# Altium PCB JlinkSwitch.PcbDoc (continued)
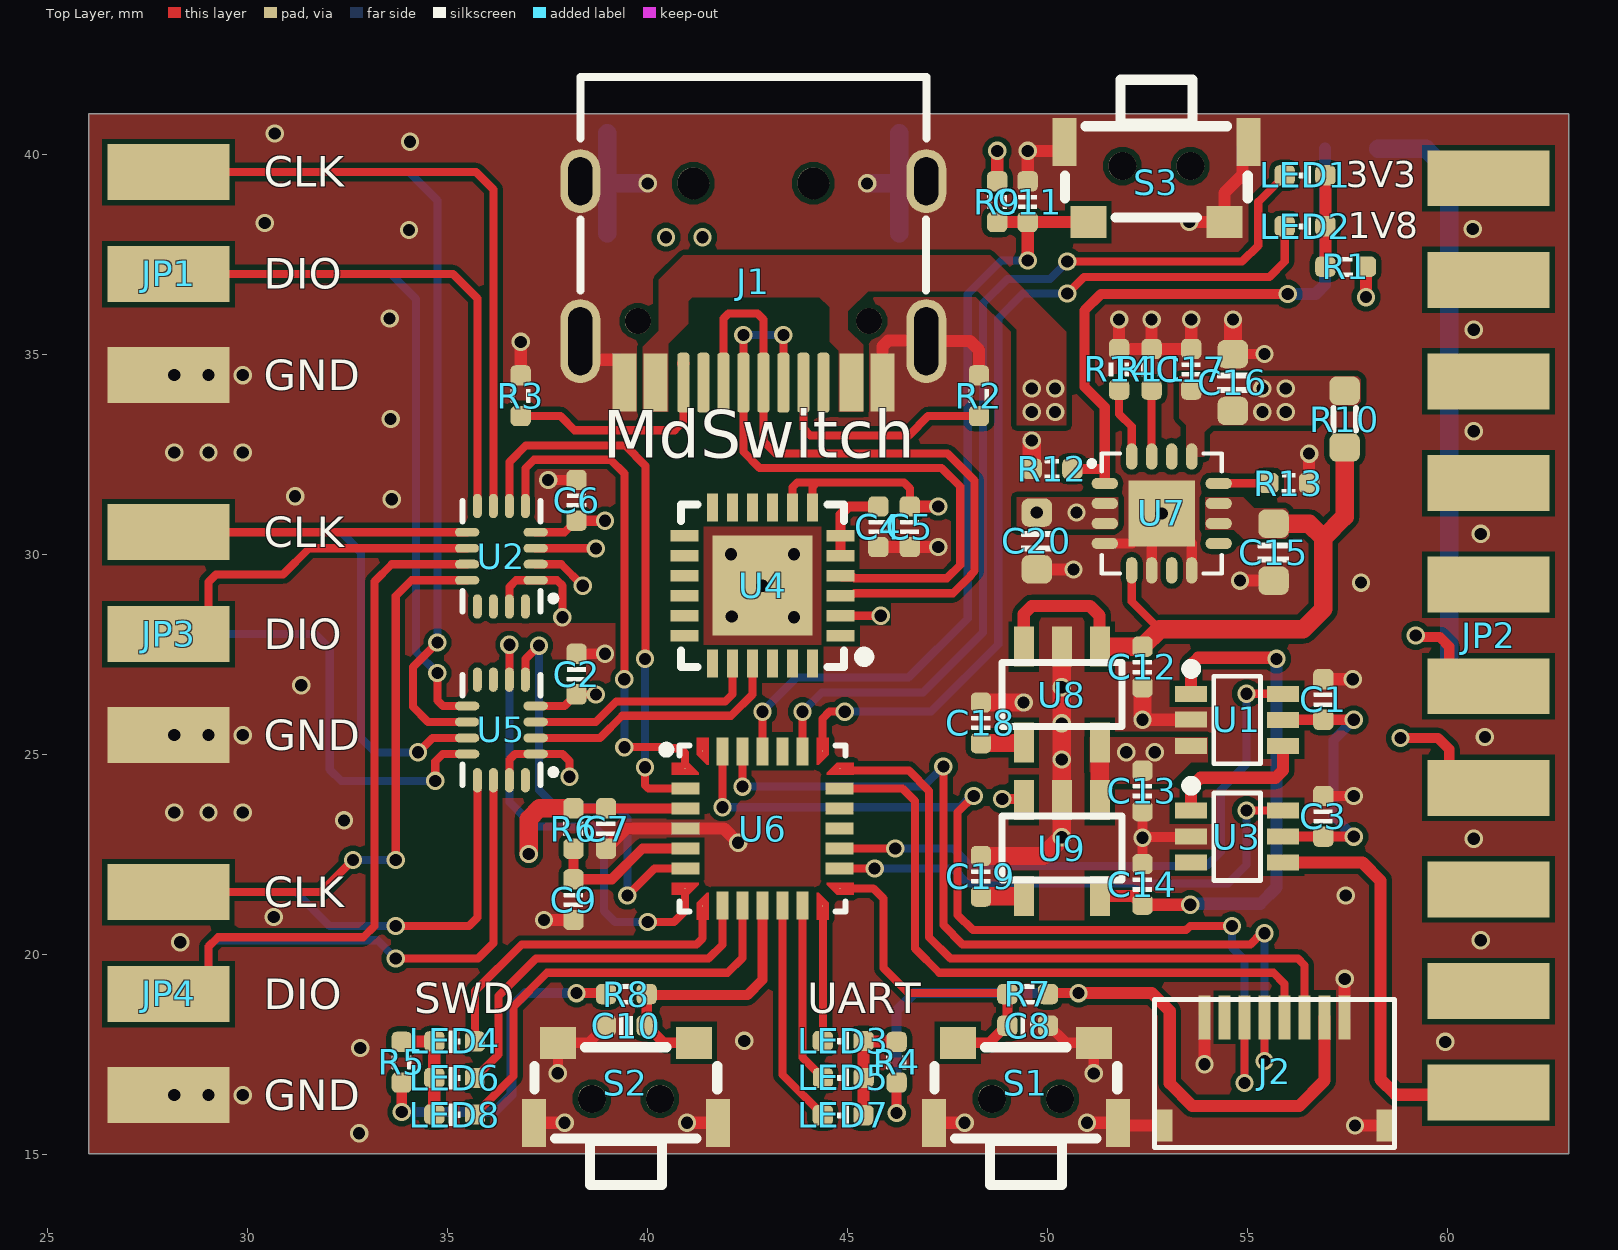
[diagram p0: Top Layer view]
## Footprints (in the part's own frame and the unit in brackets; to place one, negate y for a bottom-side part, rotate by r counter-clockwise, add the part's x,y. Pads: shape width x height; smd on the part's side, far side on the other; paste and mask are expansions set on the pad) (continued)
PAD [mm]
  rrect50% 1x1.5 smd: 1(0,0)
QFN16-1826 [mil]
  oval 8.82x24 smd paste-3937 mask+1.97: 1(-23.62,-33.73) 2(-7.87,-33.73) 3(7.87,-33.73) 4(23.62,-33.73) 9(23.62,33.73) 10(7.87,33.73) 11(-7.87,33.73) 12(-23.62,33.73)
  oval 24x8.82 smd paste-3937 mask+1.97: 5(49.48,-23.62) 6(49.48,-7.87) 7(49.48,7.87) 8(49.48,23.62) 13(-49.48,23.62) 14(-49.48,7.87) 15(-49.48,-7.87) 16(-49.48,-23.62)
  silkscreen extent -54,-54 54,38, body extent -51,-35 51,35, height 22
"QFN24 4x4_L" [mm] "24脚，长x宽x高：4x4x1mm，脚距：0.5mm"
  rect 0.28x0.7 smd mask+0.05: 1(-1.25,-1.95) 2(-0.75,-1.95) 3(-0.25,-1.95) 4(0.25,-1.95) 5(0.75,-1.95) 6(1.25,-1.95) 13(1.25,1.95) 14(0.75,1.95) 15(0.25,1.95) 16(-0.25,1.95) 17(-0.75,1.95) 18(-1.25,1.95)
  rect 0.7x0.28 smd mask+0.05: 7(1.95,-1.25) 8(1.95,-0.75) 9(1.95,-0.25) 10(1.95,0.25) 11(1.95,0.75) 12(1.95,1.25) 19(-1.95,1.25) 20(-1.95,0.75) 21(-1.95,0.25) 22(-1.95,-0.25) 23(-1.95,-0.75) 24(-1.95,-1.25)
  rect 2.5x2.5 smd mask+0.05: 25(0,0)
  silkscreen extent -2.03,-2.67 2.03,2.03, body extent -2.01,-2.01 2.01,2.01, height 0.95
"R 0402_L" [mil] "1/16W贴片电阻"
  rrect50% 20x20 smd: 1(20,0) 2(-20,0)
  silkscreen extent -7,-9 7,10, body extent -20,-10 20,10, height 14
"R 0603_L" [mil] "1/10W贴片电阻"
  rrect50% 28x30 smd: 1(-28,0) 2(28,0)
  silkscreen extent -11,-11 11,11, body extent -31,-16 32,16, height 16
SC70-6 [mm]
  rect 0.8x0.4 smd: 1(-1.124,0.651) 2(-1.124,0.002) 3(-1.124,-0.649) 4(1.176,-0.649) 5(1.176,0.001) 6(1.176,0.651)
  silkscreen extent -1.24,-1.1 0.62,1.4, body extent -1.15,-1.05 1.15,1.05, height 1
SOT23-5 [mm]
  rect 0.5x1 smd: 1(0,0) 2(0.95,0) 3(1.9,0) 4(1.9,2.4) 5(0,2.4)
  silkscreen extent -0.55,0.4 2.45,2, body extent -0.5,-0.2 2.4,2.6, height 1.09
"TS 2*4*3.5" [mm] "侧按"
  rect 0.6x1.2 smd: 0(-2.367,-0.6) 0(2.233,-0.6)
  rect 0.9x0.8 smd: 1(-1.767,1.4) 2(1.633,1.4)
  round 0.7 hole 0.7 unplated: ""(-0.917,0) ""(0.783,0)
  silkscreen extent -2.35,-2.16 2.22,1.29, body extent -2.44,-2.1 2.36,1.35, height 1.81
"UFQFPN-28 4X4" [mm]
  round 0.025 smd mask+0.051: 1(-1.5,-1.937) 7(1.5,-1.938) 8(1.938,-1.5) 14(1.938,1.5) 15(1.5,1.937) 21(-1.5,1.938) 22(-1.937,1.5) 28(-1.938,-1.5)
  rect 0.3x0.7 smd paste+0 mask+0.05: 2(-1,-1.925) 3(-0.5,-1.925) 4(0,-1.925) 5(0.5,-1.925) 6(1,-1.925) 16(1,1.925) 17(0.5,1.925) 18(0,1.925) 19(-0.5,1.925) 20(-1,1.925)
  rect 0.7x0.3 smd paste+0 mask+0.05: 9(1.925,-1) 10(1.925,-0.5) 11(1.925,0) 12(1.925,0.5) 13(1.925,1) 23(-1.925,1) 24(-1.925,0.5) 25(-1.925,0) 26(-1.925,-0.5) 27(-1.925,-1)
  Top Layer region: -1.65,1.85 -1.65,2.275 -1.35,2.275 -1.35,1.6 -1.4,1.6 -1.65,1.85
  Top Layer region: -1.85,1.65 -2.275,1.65 -2.275,1.35 -1.6,1.35 -1.6,1.4 -1.85,1.65
  Top Layer region: 1.65,1.85 1.65,2.275 1.35,2.275 1.35,1.6 1.4,1.6 1.65,1.85
  Top Layer region: 1.85,1.65 2.275,1.65 2.275,1.35 1.6,1.35 1.6,1.4 1.85,1.65
  Top Layer region: 1.85,-1.65 2.275,-1.65 2.275,-1.35 1.6,-1.35 1.6,-1.4 1.85,-1.65
  Top Layer region: 1.65,-1.85 1.65,-2.275 1.35,-2.275 1.35,-1.6 1.4,-1.6 1.65,-1.85
  Top Layer region: -1.65,-1.85 -1.65,-2.275 -1.35,-2.275 -1.35,-1.6 -1.4,-1.6 -1.65,-1.85
  Top Layer region: -1.85,-1.65 -2.275,-1.65 -2.275,-1.35 -1.6,-1.35 -1.6,-1.4 -1.85,-1.65
  silkscreen extent -2.08,-2.5 2.08,2.08, body extent -2.01,-2.01 2.01,2.01, height 0.61
USBC-16P-卧插 [mm] "TYPEC-304-BCP16"
  round 0.65 hole 0.65: 0(-2.89,0.98) 0(2.89,0.98)
  oval 1x2.1 hole 0.6 slot 1.7 at 90 deg: 13(-4.325,1.48) 14(4.325,1.48)
  oval 1x1.6 hole 0.6 slot 1.2 at 90 deg: 15(4.325,-2.52) 16(-4.325,-2.52)
  rect 0.6x1.45 smd: A1B12(-3.225,2.52) A4B9(-2.45,2.52) B1A12(3.22,2.52) B4A9(2.45,2.52)
  rrect50% 0.3x1.5 smd: A5(-1.25,2.52) A6(-0.25,2.52) A7(0.25,2.52) A8(1.25,2.52) B5(1.75,2.52) B6(0.75,2.52) B7(-0.75,2.52) B8(-1.75,2.52)
  silkscreen extent -4.33,-5.12 4.33,0.22, body extent -4.48,-5.18 4.48,2.57, height 3.26
VQFN-16-EP(3X3) [mm]
  oval 0.66x0.28 smd mask+0.05: 1(-1.424,0.75) 2(-1.424,0.25) 3(-1.424,-0.25) 4(-1.424,-0.75) 9(1.424,-0.75) 10(1.424,-0.25) 11(1.424,0.25) 12(1.424,0.75)
  oval 0.28x0.66 smd mask+0.05: 5(-0.75,-1.424) 6(-0.25,-1.424) 7(0.25,-1.424) 8(0.75,-1.424) 13(0.75,1.424) 14(0.25,1.424) 15(-0.25,1.424) 16(-0.75,1.424)
  rect 1.651x1.651 smd mask+0.05: 17(0,0)
  silkscreen extent -1.76,-1.5 1.5,1.5, body extent -1.51,-1.51 1.51,1.51, height 0.97

## Part data
C1 C2 C3 C4 C5 C6 C7 C8 C9 C10 C11 C12 C13 C14 C15 C16 C17 C18 C19 C20: library part C, "无极性贴片电容", BOM名称=无极性贴片电容, 学习资源=www.ooocke.com, 版权归属=源创客
J1: library part USB-C/16P, "TYPEC母座16P"
J2: "带RST的调试接口"
J3 J4 J5: "引线焊盘"
JP1 JP3 JP4: library part "Header 3X2", "3*2P接插件", BOM名称=3*2P接插件, 学习资源=www.ooocke.com, 版权归属=源创客
JP2: library part "Header 10X2", "10*2P接插件", BOM名称=10*2P接插件, 学习资源=www.ooocke.com, 版权归属=源创客
LED1 LED2 LED3 LED4 LED5 LED6 LED7 LED8: library part LED-SMD, "贴片LED", BOM名称=贴片LED, 学习资源=www.ooocke.com, 版权归属=源创客
R1 R2 R3 R4 R5 R6 R7 R8 R9 R10 R11 R12 R13 R14: library part R, "贴片电阻", BOM名称=贴片电阻, 学习资源=www.ooocke.com, 版权归属=源创客
S1 S2 S3: library part TSW, "侧按 按键开关单刀单掷"
S4: library part SSW-1P, "1路波动开关", BOM名称=波动开关, 学习资源=www.ooocke.com, 版权归属=源创客
U1 U3: library part SN74LVC1G3157DCKR, "SPDT 7Ω"
U2 U5: "模拟开关/多路复用器"
U4: "USB转串口芯片"
U6: "M0单片机 QFPN28"
U7: library part BQ24075RGTx, "单节1.5A线性电池充电 / 电源路径管理 5.5Vout"
U8 U9: library part XC6210B332MR, "低功耗LDO Id=35uA"

## Via types
v1: diameter 0.457, hole 0.305, Top Layer to Bottom Layer, 156 vias

## Nets (pads, with @x,y where several pads share a name; then routed paths per layer and width w, separated by ;. In a path a pad name is that pad's centre, name@x,y a point inside that pad or via, vN(x,y) a via of type N, cw(c..) or ccw(c..) an arc to the next point about the centre after c; other vN are vias at no path point)
DBG_SWCLK: J2.6 U6.21 | length 17.1
  Top Layer w0.203: U6.21 44.874,24.587 46.543,24.587 47.05,24.08 47.05,20.422 47.584,19.888 56.27,19.888 56.436,19.722 J2.6
DBG_SWDIO: J2.5 U6.20 | length 16.1
  Top Layer w0.203: U6.20 46.38,24.139 46.695,23.825 46.695,20.142 47.304,19.533 55.661,19.533 55.936,19.257 J2.5
DBG_U1_RX: J2.3 U6.27 | length 23.7
  Top Layer w0.203: v1(41.885,23.673) U6.27 ; v1(48.168,23.952) 47.761,23.546 47.761,20.98 48.142,20.599 53.476,20.599 53.578,20.701 v1(54.619,20.701) ; v1(54.936,16.776) J2.3
  Bottom Layer w0.203: v1(41.885,23.673) 41.887,23.67 47.817,23.67 48.099,23.952 v1(48.168,23.952) ; v1(54.619,20.701) 54.619,20.168 54.936,19.851 v1(54.936,16.776)
DBG_U1_TX: J2.4 U6.26 | length 22.7
  Top Layer w0.203: v1(42.384,24.186) U6.26 ; v1(47.406,24.689) 47.406,20.726 47.888,20.244 55.084,20.244 55.363,20.523 v1(55.432,20.523) ; v1(55.436,17.327) J2.4
  Bottom Layer w0.203: v1(42.384,24.186) 46.903,24.186 v1(47.406,24.689) ; v1(55.432,20.523) 55.434,20.521 55.434,17.329 v1(55.436,17.327)
GND: C1.2 C2.1 C3.2 C4.2 C5.2 C6.1 C7.2 C8.2 C9.2 C10.2 C11.2 C12.1 C13.1 C14.1 C15.1 C16.1 C17.1 C18.1 C19.1 C20.1 J1.13 J1.14 J1.15 J1.16 J1.A1B12 J1.B1A12 J2.0 J2.1 J2.8 J5.1 JP1.1 JP1.2 JP2.2 JP2.4 JP2.6 JP2.8 JP2.10 JP2.12 JP3.1 JP3.2 JP4.1 JP4.2 R2.1 R3.1 R11.1 R12.1 R13.1 R14.1 S1.0 S1.2 S2.0 S2.1 S3.0 S3.1 S4.0 U1.2 U2.1 U2.15 U3.2 U4.2 U4.25 U5.1 U5.15 U6.4 U7.4 U7.6 U7.8 U7.17 U8.2 U9.2 | length 87.2
  Top Layer w0.203: U5.15 36.557,24.862 36.698,25.003 U5.1 37.881,25.003 38.059,24.826 v1(38.059,24.435) ; U2.15 36.557,29.181 36.722,29.347 U2.1 37.744,29.347 37.881,29.21 v1(37.881,28.423) ; U4.2 v1(45.843,28.46)
  Top Layer w0.254: v1(37.525,31.852) C6.1 ; v1(37.768,17.021) S2.1 38.544,17.783 C10.2 ; C2.1 v1(38.948,27.508) ; C8.2@50.022,18.237 50.476,17.783 S1.2 51.165,17.78 v1(51.165,17.018) ; U7.4 52.116,30.267 U7.17@52.615,30.767 ; C14.1 v1(52.384,22.911) ; C13.1 v1(52.384,22.911) ; U7.6 U7.17@52.615,30.767 ; U3.2 53.584,22.924 52.398,22.924 v1(52.384,22.911) ; U7.8 53.615,30.267 v1(52.866,31.017) U7.17@52.615,30.767 ; C16.1 v1(55.432,35.001) ; C3.2 v1(57.667,23.952)
  Top Layer w0.305: R3.1 v1(36.839,35.306) ; S2.0@37.168,15.783 v1(37.937,15.783) ; v1(37.424,20.853) C9.2 ; J1.14 38.331,35.178 38.652,34.857 39.288,34.857 39.436,34.71 J1.B1A12 ; J1.14@38.331,35.807 38.331,35.661 J1.14@38.652,35.34 ; C7.2 39.481,23.139 U6.4 41.919,23.139 v1(42.275,22.784) ; v1(40.999,15.783) S2.0@41.768,15.783 ; C4.2 C5.2 v1(47.279,30.175) ; J1.A1B12@45.881,34.767 45.881,35.192 46.029,35.34 46.66,35.34 46.981,35.661 J1.13@46.981,35.807 ; J1.13 48.073,35.325 48.295,35.103 R2.1 ; S1.0@47.168,15.783 v1(47.937,15.783) ; C11.2 v1(49.514,40.081) 50.283,40.081 50.431,40.229 S3.0@50.431,40.3 ; C20.1 v1(50.657,29.616) ; v1(50.999,15.783) 51.768,15.783 51.834,15.717 J2.0@52.936,15.717 ; v1@51.8,35.814 R14.1 R11.1 ; v1@52.386,25.859 U1.2 ; v1@52.613,35.814 R11.1 ; v1(53.553,38.303) 53.554,38.302 54.429,38.302 S3.1 54.431,39.029 54.883,39.481 54.883,40.153 S3.0@55.031,40.3 ; v1@53.603,35.814 C17.1 R11.1 ; v1(53.936,17.244) J2.1 ; v1(54.823,29.337) C15.1 ; R13.1 v1(56.55,32.512) ; C1.2 v1(57.642,26.873) ; J2.8 57.437,18.422 57.437,19.379 v1(57.439,19.38) ; v1(57.698,15.717) J2.0@58.436,15.717
  Top Layer w0.457: C19.1 49.9,22.454 v1(50.367,22.921) U9.2 v1(50.367,24.867) v1(50.367,25.768) v1(50.367,26.67) U8.2 ; C18.1 v1(49.412,26.289) ; R12.1 v1(49.616,32.842) ; C12.1 v1(52.384,25.857) v1@52.386,25.859 ; C16.1 v1(54.645,35.865)
  Bottom Layer w0.457: S4.0@39.006,38.018 39.006,39.268 ; S4.0@39.006,40.518 39.006,39.268 ; v1(40.014,39.268) 39.006,39.268 ; v1(45.501,39.268) 46.306,39.268 ; S4.0@46.306,38.018 46.306,39.268 ; S4.0@46.306,40.518 46.306,39.268 ; J5.1 59.473,40.132 60.21,39.395 JP2.2 ; JP2.12@60.055,26.695 JP2.2@60.055,39.395
  other v1: 32.801,15.519 28.178,16.474 29.035,16.474 29.892,16.474 32.826,17.653 59.953,17.805 42.427,17.831 28.33,20.295 60.842,20.345 30.667,20.93 57.464,21.463 60.665,22.885 32.42,23.343 28.178,23.537 29.035,23.537 29.892,23.537 60.944,25.425 28.178,25.474 29.035,25.474 29.892,25.474 31.353,26.721 43.672,28.423 42.114,28.439 42.885,29.21 57.845,29.286 42.097,29.997 43.672,29.997 60.842,30.505 33.614,31.369 31.201,31.445 28.178,32.537 29.035,32.537 29.892,32.537 60.665,33.071 33.588,33.376 28.178,34.474 29.035,34.474 29.892,34.474 60.665,35.611 51.8,35.865 52.613,35.865 53.603,35.865 33.563,35.89 34.045,38.1 60.639,38.125 30.439,38.278 34.071,40.31 30.693,40.513
J_VREF: JP2.19 U3.4 | length 10.5
  Top Layer w0.305: U3.4 57.885,22.287 58.337,21.835 58.337,16.862 58.714,16.485 60.984,16.485 JP2.19
JVREF_EN: U3.6 U6.16 | length 12.8
  Top Layer w0.203: U6.16 v1(45.688,22.139) ; v1(54.984,23.587) U3.6
  Bottom Layer w0.203: v1(45.688,22.139) 47.644,22.139 48.015,21.768 54.518,21.768 54.984,22.234 v1(54.984,23.587)
JVREF_SEL: U1.6 U6.17 | length 15
  Top Layer w0.203: U6.17 v1(46.204,22.639) ; v1(54.984,26.508) U1.6
  Bottom Layer w0.203: v1(46.204,22.639) 47.652,22.639 48.092,22.2 53.984,22.2 54.34,22.555 54.34,24.105 54.984,24.749 v1(54.984,26.508)
JVREF_SW: C11.1 R9.1 S3.2 U6.25 | length 20.3
  Top Layer w0.203: U6.25 v1(42.885,26.06)
  Top Layer w0.305: R9.1 48.753,38.302 C11.1@49.514,38.302 ; v1(49.514,37.338) C11.1@49.514,38.302 ; C11.1 C11.1@49.514,38.302 ; S3.2 51.029,38.302 C11.1@49.514,38.302
  Bottom Layer w0.203: v1(42.885,26.06) 43.734,26.91 46.536,26.91 48.015,28.39 48.015,36.5 48.854,37.338 v1(49.514,37.338)
LED1_1: LED3.1 U6.14 | length 3.4
  Top Layer w0.203: U6.14 44.393,21.193 LED3.1
LED1_2: LED5.1 U6.13 | length 4.5
  Top Layer w0.203: U6.13 43.885,17.415 LED5.1
LED1_3: LED7.1 U6.12 | length 5.7
  Top Layer w0.203: U6.12 43.384,16.982 LED7.1
LED2_1: LED4.1 U6.8 | length 8.3
  Top Layer w0.203: LED4.1 35.696,19.075 36.865,20.244 41.234,20.244 41.385,20.395 U6.8
LED2_2: LED6.1 U6.9 | length 9.4
  Top Layer w0.203: LED6.1 36.281,17.488 36.281,18.948 37.22,19.888 41.538,19.888 41.885,20.234 U6.9
LED2_3: LED8.1 U6.10 | length 10.6
  Top Layer w0.203: LED8.1 36.662,16.954 36.662,18.694 37.5,19.533 42.01,19.533 42.384,19.907 U6.10
LED3_1: LED1.1 U6.23 | length 24.1
  Top Layer w0.203: U6.23 v1(43.884,26.06) ; v1(50.505,37.313) 54.873,37.313 55.28,37.719 55.28,38.808 LED1.1 LED1.1@55.926,39.469
  Bottom Layer w0.203: v1(43.884,26.06) 44.367,26.543 46.898,26.543 48.396,28.042 48.396,36.271 49.006,36.881 50.073,36.881 v1(50.505,37.313)
LED3_2: LED2.1 U6.22 | length 22.8
  Top Layer w0.203: U6.22 44.385,25.884 44.561,26.06 v1(44.942,26.06) ; v1(50.505,36.512) 50.924,36.932 55.559,36.932 55.94,37.313 LED2.1
  Bottom Layer w0.203: v1(44.942,26.06) 47.101,26.06 48.777,27.737 48.777,35.89 49.4,36.512 v1(50.505,36.512)
NetC4_1: C4.1 U4.5 U4.6 | length 2.1
  Top Layer w0.254: U4.5 U4.6 44.835,30.982 45.044,31.191 C4.1
NetC9_1: C9.1 R6.2 U6.5 | length 3.9
  Top Layer w0.254: R6.2 C9.1 39.116,21.869 39.886,22.639 U6.5
NetC12_2: C12.2 C15.2 R10.2 U7.5 U7.10 U7.11 U8.1 U8.3 | length 17.1
  Top Layer w0.203: U7.5 52.115,28.818 52.816,28.118
  Top Layer w0.305: U8.3 49.417,28.504 49.616,28.702 51.074,28.702 51.312,28.465 51.312,27.692 U8.1
  Top Layer w0.457: U8.1 C12.2 52.816,28.118 56.397,28.118 56.905,28.626 56.905,30.404 ; C15.2 56.55,30.759 56.905,30.404 ; R10.2 57.439,30.937 56.905,30.404
NetC18_2: C18.2 U8.4 | length 1.1
  Top Layer w0.457: C18.2 48.352,25.279 49.411,25.279 U8.4
NetC19_2: C19.2 U9.4 | length 1.1
  Top Layer w0.457: C19.2 48.352,21.444 49.411,21.444 U9.4
NetJ1_A5: J1.A5 R2.2 | length 5.8
  Top Layer w0.203: J1.A5@43.903,34.764 J1.A5@43.906,34.767 ; J1.A5 43.906,33.142 44.078,32.969 46.543,32.969 47.026,33.452 R2.2
NetJ1_B5: J1.B5 R3.2 | length 5.3
  Top Layer w0.203: R3.2 37.83,33.452 38.186,33.096 40.69,33.096 40.906,33.312 J1.B5
  Top Layer w0.305: J1.B5@40.905,34.766 J1.B5@40.906,34.767
NetJ3_1: J3.1 S4.2 S4.3
NetJ4_1: J4.1 R12.2 U7.1 | length 15
  Top Layer w0.254: R12.2 51.442,32.131 ; U7.1 51.442,32.131 ; v1(56.016,36.5) 51.343,36.5 50.936,36.093 50.936,34.183 51.442,33.678 51.442,32.131
  Bottom Layer w0.305: v1(56.016,36.5) 56.707,36.5 56.944,36.736 J4.1
NetJP1_3: JP1.3 U2.8 | length 12.2
  Top Layer w0.203: JP1.3@29.035,36.999 35.147,36.999 35.757,36.389 U2.8
NetJP1_4: JP1.4 U5.9 | length 16.5
  Top Layer w0.203: v1(34.757,27.026) 34.757,26.34 34.893,26.203 U5.9
  Bottom Layer w0.203: JP1.4@29.035,36.999 33.597,36.999 34.223,36.373 34.223,27.559 v1(34.757,27.026)
NetJP1_5: JP1.5 U2.7 | length 15.2
  Top Layer w0.203: JP1.5@29.035,39.549 35.721,39.549 36.157,39.113 U2.7
NetJP1_6: JP1.6 U5.10 | length 20.4
  Top Layer w0.203: v1(34.757,27.788) 34.147,27.178 34.147,26.182 34.526,25.803 U5.10
  Bottom Layer w0.203: JP1.6@29.035,39.549 34.044,39.549 34.757,38.837 v1(34.757,27.788)
NetJP3_3: JP3.3 U2.10 | length 8.1
  Top Layer w0.203: JP3.3@29.035,27.999 29.035,29.305 29.219,29.489 30.896,29.489 31.553,30.146 U2.10
NetJP3_4: JP3.4 U5.12 | length 10.3
  Top Layer w0.203: v1(34.703,24.331) 34.703,24.816 34.891,25.003 U5.12
  Bottom Layer w0.203: JP3.4@29.035,27.999 31.701,27.999 32.064,27.635 32.064,24.62 32.353,24.331 v1(34.703,24.331)
NetJP3_5: JP3.5 U2.9 | length 6.5
  Top Layer w0.203: JP3.5@29.035,30.549 29.037,30.547 U2.9
NetJP3_6: JP3.6 U5.11 | length 11.6
  Top Layer w0.203: v1(34.274,25.044) 34.633,25.403 U5.11
  Bottom Layer w0.203: JP3.6@29.035,30.549 32.344,30.549 32.849,30.044 32.849,25.403 33.208,25.044 v1(34.274,25.044)
NetJP4_3: JP4.3 U2.11 | length 16.7
  Top Layer w0.203: JP4.3@29.035,18.999 29.035,20.186 29.27,20.422 32.902,20.422 33.182,20.701 33.182,29.312 33.617,29.747 U2.11
NetJP4_4: JP4.4 U5.14 | length 12.8
  Top Layer w0.203: v1(33.715,19.888) 35.773,19.888 36.157,20.272 U5.14
  Bottom Layer w0.203: JP4.4@29.035,18.999 29.035,20.186 29.194,20.345 33.258,20.345 v1(33.715,19.888)
NetJP4_5: JP4.5 U2.12 | length 13.6
  Top Layer w0.203: JP4.5@29.035,21.549 31.845,21.549 v1(32.648,22.352) ; v1(33.715,22.352) 33.715,28.956 34.106,29.347 U2.12
  Bottom Layer w0.203: v1(32.648,22.352) v1(33.715,22.352)
NetJP4_6: JP4.6 U5.13 | length 10.6
  Top Layer w0.203: v1(33.715,20.701) 35.544,20.701 35.757,20.914 U5.13
  Bottom Layer w0.203: JP4.6@29.035,21.549 31.216,21.549 32.064,20.701 v1(33.715,20.701)
NetLED1_2: LED1.2 LED2.2 R1.1 | length 2.3
  Top Layer w0.305: R1.1 LED2.2 LED1.2
NetLED3_2: LED3.2 LED5.2 LED7.2 R4.1 | length 2.7
  Top Layer w0.305: LED7.2 LED3.2 45.42,17.817 46.226,17.817 R4.1
NetLED4_2: LED4.2 LED6.2 LED8.2 R5.1 | length 2.6
  Top Layer w0.305: R5.1 33.874,17.812 34.674,17.812 LED4.2 LED6.2 LED8.2
NetR11_2: R11.2 U7.15 | length 1.7
  Top Layer w0.203: R11.2 52.614,34.111 52.614,32.443 U7.15
NetR13_2: R13.2 U7.12 | length 1.2
  Top Layer w0.203: U7.12 54.293,31.771 55.53,31.771 R13.2
NetR14_2: R14.2 U7.16 | length 1.8
  Top Layer w0.203: R14.2 51.8,33.503 52.115,33.187 U7.16
NetU1_4: U1.4 U3.1 | length 3.7
  Top Layer w0.305: U3.1 53.597,24.174 53.832,24.409 55.712,24.409 55.897,24.595 U1.4
NetU4_20: U4.20 U5.3 | length 6
  Top Layer w0.203: U5.3 38.716,25.803 39.227,26.314 41.953,26.314 42.135,26.496 U4.20
NetU4_21: U4.21 U5.2 | length 6.6
  Top Layer w0.203: U5.2 38.824,25.403 39.379,25.959 42.101,25.959 42.635,26.493 U4.21
SWD_SW: C10.1 R8.2 S2.2 U6.11 | length 7
  Top Layer w0.254: S2.2 40.418,17.783 C10.1 39.989,18.974 42.504,18.974 42.885,19.355 U6.11
SWD_SW_A0: U2.5 U6.1 | length 12.5
  Top Layer w0.203: U2.5 36.957,32.147 37.17,32.36 39.087,32.36 39.43,32.016 v1(39.43,26.873) ; v1(39.432,25.173) 40.521,25.173 40.548,25.146 40.827,25.146 40.947,25.026 U6.1
  Bottom Layer w0.203: v1@39.431,25.173 v1(39.43,26.873)
SWD_SW_A1: U2.6 U6.2 | length 13.9
  Top Layer w0.203: U2.6 36.557,32.305 36.966,32.715 39.455,32.715 39.964,32.207 39.964,27.407 v1@39.938,27.381 ; v1(39.948,24.673) 39.948,24.222 40.03,24.139 U6.2
  Bottom Layer w0.203: v1(39.948,24.673) v1(39.948,27.381)
TCK_IN: JP2.11 U2.3 | length 25.5
  Top Layer w0.203: U2.3 v1@38.719,30.146
  Top Layer w0.254: v1(59.217,27.965) 59.256,27.927 59.814,27.927 60.055,27.686 JP2.11@60.055,26.695
  PWR w0.203: v1(38.719,30.142) 39.489,30.142 41.792,27.838 47.406,27.838 48.219,28.651 58.531,28.651 v1(59.217,27.965)
TMS_IN: JP2.13 U2.2 | length 27.4
  Top Layer w0.203: U2.2 37.852,29.747 v1(38.389,29.21)
  Top Layer w0.254: v1(58.836,25.4) 59.776,25.4 60.055,25.121 JP2.13@60.055,24.155
  PWR w0.254: v1(38.389,29.21) 39.227,29.21 41.488,26.949 47.863,26.949 48.803,27.889 57.896,27.889 58.836,26.949 v1(58.836,25.4)
UART_SW: C8.1 R7.1 S1.1 U6.15 | length 8.5
  Top Layer w0.203: U6.15 45.655,21.639 45.907,21.387 45.907,19.651 46.533,19.025 R7.1@49.006,19.025
  Top Layer w0.254: S1.1@47.765,17.78 S1.1 48.552,17.783 49.006,18.237 R7.1@49.006,19.025
UART_SW_A0: U5.5 U6.6 | length 10.8
  Top Layer w0.203: U5.5 36.961,26.864 36.961,27.376 v1(37.297,27.711) ; v1(39.506,21.463) 40.183,22.139 U6.6
  Bottom Layer w0.203: v1(37.297,27.711) 37.297,24.105 37.728,23.673 39.227,23.673 39.506,23.393 v1(39.506,21.463)
UART_SW_A1: U5.6 U6.7 | length 12.2
  Top Layer w0.203: U5.6 v1(36.557,27.733) ; v1(40.014,20.803) 40.675,20.803 40.947,21.075 U6.7
  Bottom Layer w0.203: v1(36.557,27.733) 36.557,23.803 37.17,23.19 38.668,23.19 38.922,22.936 38.922,21.082 39.202,20.803 v1(40.014,20.803)
USB_D_N: J1.A7 J1.B7 U4.4 | length 16
  Top Layer w0.203: v1(42.406,35.48) J1.A7 42.406,32.559 42.808,32.156 47.36,32.156 47.828,31.689 47.828,29.731 47.494,29.398 45.184,29.398 45.16,29.422 44.873,29.422 U4.4 ; J1.B7 v1(43.406,35.48)
  Bottom Layer w0.203: v1(42.406,35.48) v1(43.406,35.48)
USB_D_P: J1.A6 J1.B6 U4.3 | length 17.3
  Top Layer w0.203: J1.B6 41.906,35.892 42.032,36.017 42.758,36.017 42.906,35.869 J1.A6 42.906,32.821 43.215,32.512 47.507,32.512 48.183,31.836 48.183,29.584 48.173,29.574 48.173,29.56 48.083,29.47 48.083,29.456 47.65,29.022 45.184,29.022 45.16,28.998 44.873,28.998 U4.3
VBAT: C20.2 S4.1 U7.2 U7.3 | length 18.8
  PWR w0.711: v1(40.472,37.922) 43.647,37.922 44.383,37.186 44.383,30.353 45.272,29.464 47.838,29.464 48.422,30.048 48.422,30.622 48.838,31.039 v1(49.743,31.039) v1(50.733,31.039)
  other v1: 41.386,37.922
VBUS_5V: C5.1 C16.2 C17.2 J1.A4B9 J1.B4A9 R10.1 U4.7 U4.8 U7.13 | length 9.8
  Top Layer w0.203: U4.8 43.635,31.67 43.754,31.789 44.242,31.789 ; U4.7 44.135,31.682 44.242,31.789 ; C5.1 46.568,31.64 46.418,31.789 44.242,31.789
  Top Layer w0.305: C5.1 v1(47.279,31.191)
  PWR w0.457: v1(47.279,31.191) 47.279,33.071 47.761,33.553 v1(49.616,33.553)
  other v1: 50.2,33.553 55.381,33.553 55.966,33.553 49.616,34.138 50.2,34.138 55.381,34.138 55.966,34.138
VSYS_1V8: C14.2 U1.1 U9.5 | length 13.4
  Top Layer w0.305: U9.5 52.168,21.451 C14.2 v1(53.578,21.234) ; U1.1@53.588,26.518 U1.1 53.597,27.228 53.776,27.407 55.712,27.407 v1(55.737,27.381)
  Bottom Layer w0.305: v1(53.578,21.234) 53.603,21.26 55.331,21.26 55.737,21.666 v1(55.737,27.381)
VSYS_3V3: C1.1 C2.2 C3.1 C6.2 C7.1 C13.2 J2.7 R1.2 R4.2 R5.2 R6.1 R7.2 R8.1 R9.2 U1.3 U1.5 U2.4 U3.5 U5.4 U6.3 U8.5 U9.1 U9.3 | length 129.9
  Top Layer w0.203: U5.4 37.934,26.203 38.223,26.492 C2.2 v1(38.719,26.492) ; U2.4 37.934,30.547 38.223,30.836 C6.2
  Top Layer w0.254: v1(33.868,16.053) R5.2 ; R6.1@38.215,23.643 40.955,23.643 U6.3 ; v1(38.236,19.025) R8.1@38.973,19.025 ; C6.2 v1(38.948,30.836) ; v1(46.237,16.027) R4.2 ; v1(48.879,23.876) 49.392,23.876 U9.3 ; R7.2@50.022,19.025 v1(50.784,19.025) ; U3.5 C3.1 v1(57.667,22.936) ; U1.5 C1.1 v1(57.667,25.857)
  Top Layer w0.305: R9.2 v1(48.752,40.081) ; v1(50.784,19.025) 52.616,19.025 53.064,18.576 53.064,16.77 53.629,16.205 56.305,16.205 56.936,16.837 J2.7 ; U8.5 U8.5@51.355,25.324 ; v1(57.972,36.424) R1.2
  Top Layer w0.457: v1(37.043,22.504) 37.043,23.38 37.31,23.647 R6.1 ; U9.1 U8.5
  PWR w0.254: v1(48.879,23.876) 51.521,23.876 51.978,24.333
  PWR w0.305: v1(52.689,25.044) 56.855,25.044 v1(57.667,25.857)
  PWR w0.457: 35.722,22.504 v1(37.043,22.504) ; 35.722,26.492 v1(38.719,26.492) ; 35.722,30.45 35.722,39.884 36.402,40.564 48.269,40.564 v1(48.752,40.081) 48.752,38.481 49.158,38.075 52.029,38.075 52.841,37.262 57.134,37.262 v1(57.972,36.424)
  PWR w0.508: v1(38.948,30.836) 36.108,30.836 35.722,30.45 35.722,26.492 35.722,22.504 35.722,19.66 36.357,19.025 v1(50.784,19.025) 51.165,19.025 51.546,19.406 51.546,23.47 51.978,23.901 51.978,24.333 v1(51.978,25.044)
  Bottom Layer w0.254: v1(33.868,16.053) 36.179,16.053 36.611,16.485 36.611,18.669 36.966,19.025 v1(38.236,19.025) ; v1(46.237,16.027) 46.237,18.591 46.671,19.025 v1(50.784,19.025) ; v1(57.667,22.936) 57.159,23.444 57.159,25.349 v1(57.667,25.857)
pads on no net: "S4. " J1.0 J1.A8 J1.B8 J2.2 JP2.1 JP2.3 JP2.5 JP2.7 JP2.9 JP2.14 JP2.15 JP2.16 JP2.17 JP2.18 JP2.20 S1. S2. S3. U2.13 U2.14 U2.16 U3.3 U4.1 U4.9 U4.10 U4.11 U4.12 U4.13 U4.14 U4.15 U4.16 U4.17 U4.18 U4.19 U4.22 U4.23 U4.24 U5.7 U5.8 U5.16 U6.18 U6.19 U6.24 U6.28 U7.7 U7.9 U7.14

## Polygon pours and split planes (outlines as drawn)
GND on Top Layer "GND_L01_P019" (solid, remove dead copper, pour order 19): 26.035,15.011 26.035,41.011 63.035,41.011 63.035,15.011
VBUS_5V on Top Layer "VBUS_5V_L01_P016" (solid, remove dead copper, pour order 16): 56.249,33.223 56.651,33.223 57.134,33.706 57.744,33.706 57.845,33.807 57.845,34.366 57.769,34.442 56.249,34.442
VBUS_5V on Top Layer "VBUS_5V_L01_P015" (solid, remove dead copper, pour order 15): 53.472,32.436 53.472,33.227 53.299,33.401 53.299,34.442 56.321,34.442 56.321,33.223 54.111,33.223 53.934,33.045 53.934,32.436
NetC12_2 on Top Layer "NETC12_2_L01_P014" (solid, remove dead copper, pour order 14): 53.959,31.42 54.899,31.42 55.178,31.14 55.966,31.14 56.042,31.064 56.042,30.455 55.966,30.378 54.899,30.378 54.67,30.607 53.959,30.607
VSYS_3V3 on Top Layer "VSYS_3V3_L01_P013" (solid, remove dead copper, pour order 13): 54.01,25.425 51.063,25.425 51.063,24.562 51.368,24.257 53.07,24.257 53.603,24.79 54.01,24.79
VBUS_5V on Top Layer "VBUS_5V_L01_P012" (solid, remove dead copper, pour order 12): 39.887,33.553 39.887,35.179 40.294,35.585 40.294,36.855 40.903,37.465 48.574,37.465 50.479,35.56 50.479,33.223 49.235,33.223 49.235,35.611 48.269,36.576 45.526,36.576 45.018,36.068 45.018,35.611 45.399,35.23 45.399,33.553 44.79,33.553 44.79,35.077 44.561,35.306 44.561,36.17 44.307,36.424 41.132,36.424 41.03,36.322 41.03,35.763 40.522,35.255 40.522,33.553
VBAT on Top Layer "VBAT_L01_P001" (solid, pour order 1): 51.775,31.42 49.235,31.42 49.235,30.626 51.776,30.626
GND on Bottom Layer "GND_L04_P021" (solid, remove dead copper, pour order 21): 26.035,15.011 26.035,41.011 63.035,41.011 63.035,15.011
NetJ3_1 on Bottom Layer "NETJ3_1_L04_P018" (solid, remove dead copper, pour order 18): 43.113,37.262 47.228,37.262 47.787,37.821 47.787,38.938 48.523,39.675 49.895,39.675 50.2,39.98 51.216,40.996 55.864,40.996 56.118,40.742 56.118,39.522 55.966,39.37 55.28,39.37 54.391,40.259 51.648,40.259 50.403,39.014 48.981,39.014 48.523,38.557 48.523,37.516 47.558,36.551 43.113,36.551
VBAT on Bottom Layer "VBAT_L04_P017" (solid, remove dead copper, pour order 17): 40.091,36.449 40.091,38.075 40.37,38.354 41.716,38.354 41.716,37.567 40.954,37.567 40.827,37.44 40.827,36.449
VBUS_5V on Bottom Layer "VBUS_5V_L04_P010" (solid, pour order 10): 49.209,34.442 50.505,34.442 50.505,33.223 49.209,33.223
VBUS_5V on Bottom Layer "VBUS_5V_L04_P008" (solid, pour order 8): 56.321,34.442 56.321,33.223 55.051,33.223 55.051,34.442
GND on PWR "GND_L03_P020" (solid, remove dead copper, pour order 20): 26.035,15.011 26.035,41.011 63.035,41.011 63.035,15.011
VBUS_5V on PWR "VBUS_5V_L03_P009" (solid, pour order 9): 56.321,34.442 49.209,34.442 49.209,33.477 49.463,33.223 56.321,33.223
GND on GND (split plane): 62.525,15.522 26.545,15.522 26.545,40.501 62.525,40.501

## Other copper
Top Layer:
  pour cut-out: 44.358,28.227 46.077,28.227 46.085,28.219 46.085,28.778 44.443,28.778 44.358,28.693
  pour cut-out: 36.961,27.376 38.369,27.376 38.478,27.267 38.478,26.492 37.263,26.492 36.961,26.795
  pour cut-out: 36.25,28.272 36.25,29.332 36.432,29.514 39.226,29.514 39.227,29.515 39.227,28.307 39.191,28.272
  pour cut-out: 36.401,24.539 36.401,25.063 36.535,25.197 39.948,25.197 39.948,23.901 36.385,23.901
  text "1-TOP 2-GND 3-PWR 4-BOT" at 27.28,-26.264 h1.52

## Silkscreen, mask and mechanical layers (free items; w line width, h text height)
Top Overlay:
  text "CLK" at 30.413,39.185 h0.76
  text "3V3" at 57.464,39.167 h0.66
  text "1V8" at 57.515,37.897 h0.66
  text "DIO" at 30.413,36.635 h0.76
  text "GND" at 30.413,34.092 h0.76
  text "MdSwitch" at 38.897,32.019 h2.03
  text "CLK" at 30.413,30.167 h0.76
  text "DIO" at 30.413,27.617 h0.76
  text "GND" at 30.413,25.092 h0.76
  text "CLK" at 30.413,21.167 h0.76
  text "DIO" at 30.413,18.617 h0.76
  text "SWD" at 34.172,18.517 h0.76
  text "UART" at 44.002,18.517 h0.76
  text "GND" at 30.413,16.092 h0.76
Bottom Overlay:
  text "TX" at 31.683,39.167 h0.76
  text "+" at 56.016,38.303 h2.03
  text "~" at 57.339,38.293 h2.03
  text "-" at 58.582,38.293 h2.03
  text "RX" at 31.683,36.617 h0.76
  text "GND" at 32.445,34.092 h0.76
  text "TX" at 31.683,30.167 h0.76
  text "RX" at 31.683,27.617 h0.76
  text "GND" at 32.445,25.092 h0.76
  text "TX" at 31.683,21.167 h0.76
  text "RX" at 31.683,18.617 h0.76
  text "GND" at 32.445,16.092 h0.76
Mechanical 1:
  the board outline again, w0.203